# Altium PCB PCB1.PcbDoc
Units mm, origin at the board's own origin, x right, y up, seen from the top; angles counter-clockwise.
Board outline 64.01 x 33.27 mm, 2 copper layers (Top Layer, Bottom Layer); 58 components, 41 nets, 234 pads, 324 vias.
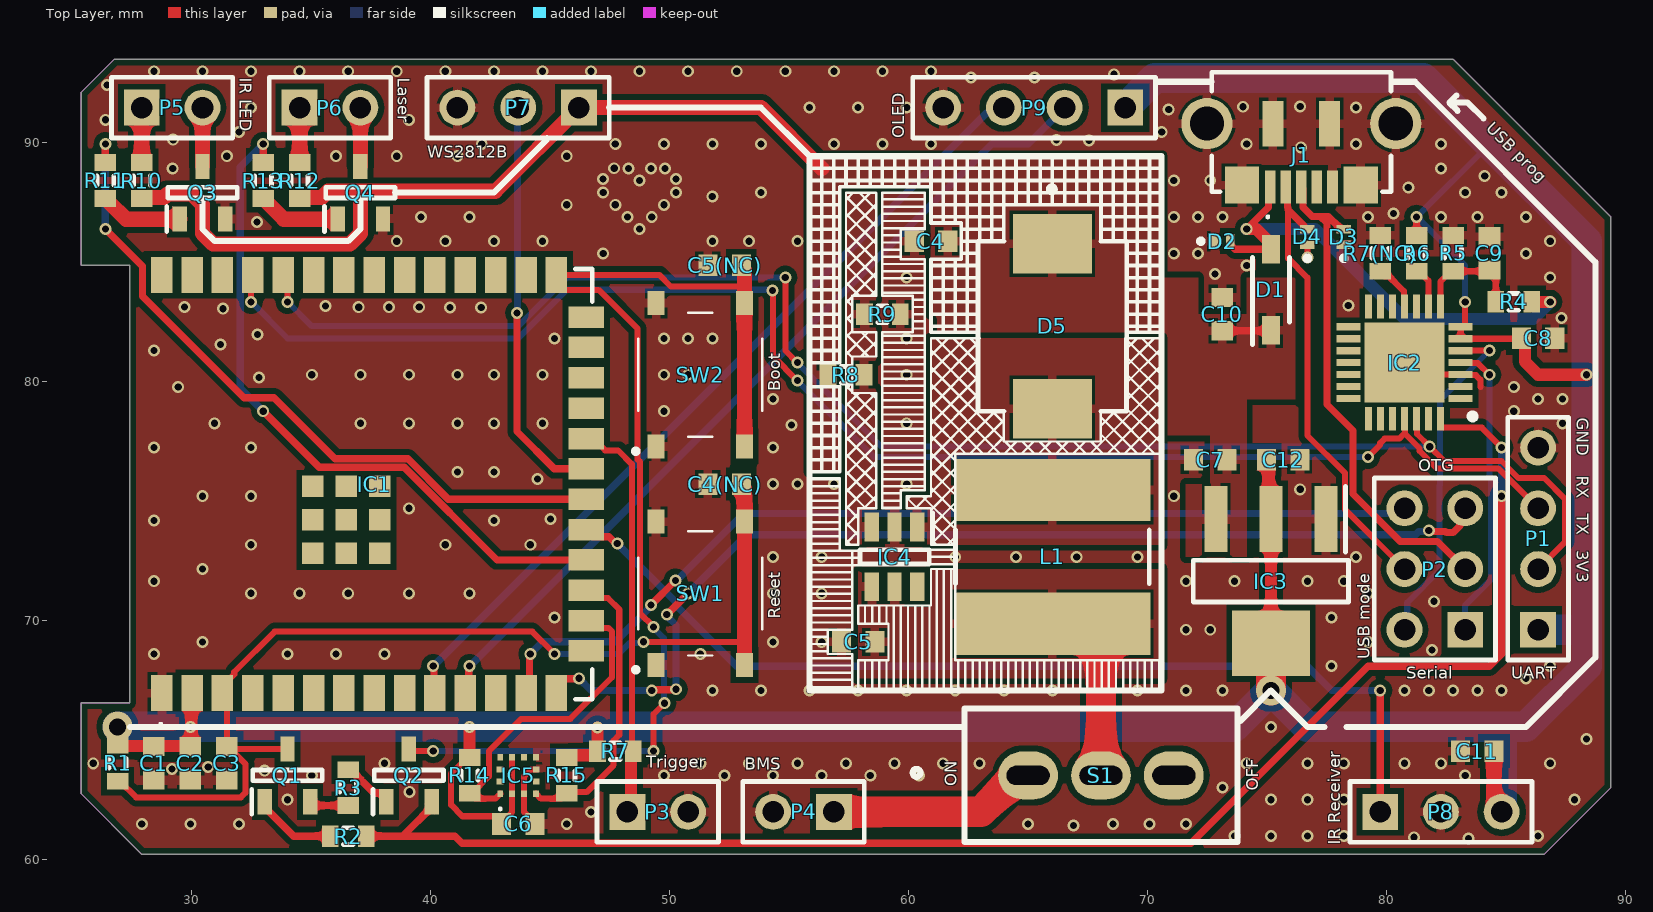
[diagram p0: Top Layer view]
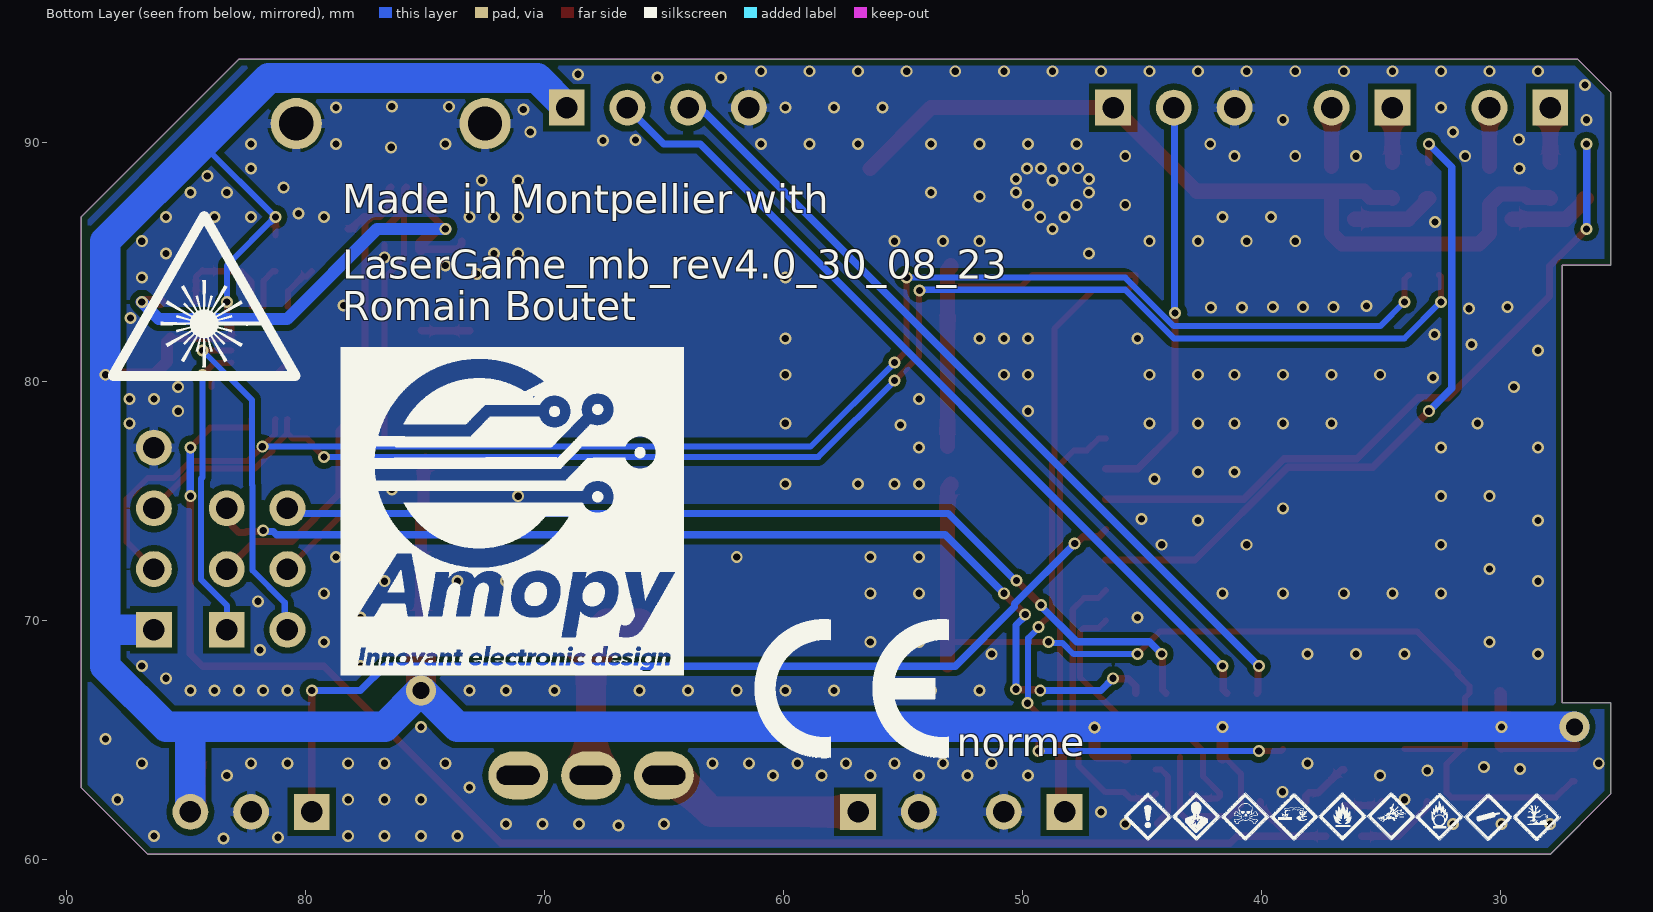
[diagram p1: Bottom Layer view, seen from below]

## Layer stack, top to bottom
Top Solder: solder mask 0.0102, Solder Resist, Dk 3.5
Top Layer: signal copper 0.0356
Dielectric 1: dielectric 0.32, FR-4, Dk 4.8
Bottom Layer: signal copper 0.0356
Bottom Solder: solder mask 0.0102, Solder Resist, Dk 3.5

## Board outline
86.614,60.198 89.408,62.992 89.408,86.868 82.804,93.472 26.797,93.472 25.4,92.075 25.4,84.836 27.432,84.836 27.432,66.548 25.4,66.548 25.4,62.738 27.94,60.198

## Design rules (kind name [scope] priority, off if disabled: settings)
Clearance Clearance_1 [(OnLayer('Bottom Overlay'))] p1: gap=0.254 ignorepadtopadclearanceinfootprint=TRUE except(0: Arc-Hole Track-Hole SMDPad-Hole THPad-Hole Via-Hole Fill-Hole Poly-Region Poly-Hole Region-Hole Text-Hole; 0.051: Track-Track Track-Via; 0.127: Arc-Arc Arc-Track Track-Region SMDPad-SMDPad; 0.2: Arc-SMDPad Arc-THPad Track-SMDPad Track-THPad)
Clearance [All] p2: gap=0.254 ignorepadtopadclearanceinfootprint=TRUE except(0: Arc-Hole Track-Hole SMDPad-Hole THPad-Hole Via-Hole Fill-Hole Poly-Region Poly-Hole Region-Hole Text-Hole; 0.051: Track-Track Track-Via; 0.127: Arc-Arc Arc-Track Track-Region SMDPad-SMDPad; 0.2: Arc-SMDPad Arc-THPad Track-SMDPad Track-THPad)
MinimumSolderMaskSliver [All] p1: minsoldermaskwidth=0.02
PolygonConnect PolygonConnect_1 [All vs IsVia] p1: connectstyle=Direct reliefconductorwidth=0.254 reliefentries=4 polygonreliefangle="90 Angle" airgapwidth=0.254
PolygonConnect [All] p2: connectstyle=Relief reliefconductorwidth=0.381 reliefentries=4 polygonreliefangle="90 Angle" airgapwidth=0.127
RoutingVias [All] p1: holewidth=0.3 width=1.27 viastyle="Through Hole" minholewidth=0.3 minwidth=0.5 maxholewidth=0.711 maxwidth=1.27
SilkToSilkClearance [All] p1: silktosilkclearance=0.05
SilkToSolderMaskClearance [IsPad] p1: minsilkscreentomaskgap=0.08 clearancetoexposedcopper=TRUE
SolderMaskExpansion SolderMaskExpansion_1 [IsVia] p1: expansion=0.102 istentingtop=TRUE
SolderMaskExpansion [All] p2: expansion=0.102 istentingtop=FALSE
UnRoutedNet [All] p1: checkbadconnections=TRUE
Width [All] p1: maxlimit=1.27 minlimit=0.127 preferedwidth=0.127
26 further rules are at their usual default settings.

## Components (designator, comment, footprint, x,y, rotation, side; value= is the part's Value field where it differs from the comment)
C1 "Cap Semi" 1608[0603] 28.448,64.008 r90 top value=22uF
C2 "Cap Semi" 1608[0603] 29.972,64.008 r90 top value=100nF
C3 "Cap Semi" 1608[0603] 31.496,64.008 r270 top value=1uF
C4 "Cap Semi" 1608[0603] 60.96,85.852 r180 top value=22uF
C4(NC) "Cap Semi" 1608[0603] 52.324,75.692 r180 top value=100nF
C5 "Cap Semi" 1608[0603] 57.912,69.088 r180 top value=22uF
C5(NC) "Cap Semi" 1608[0603] 52.324,84.836 r180 top value=100nF
C6 "Cap Semi" 1608[0603] 43.688,61.468 r0 top value=22uF
C7 "Cap Semi" 1608[0603] 72.644,76.708 r180 top value=1uF
C8 "Cap Semi" 1608[0603] 86.36,81.788 r180 top value=10uF
C9 "Cap Semi" 1608[0603] 84.328,85.344 r270 top value=1uF
C10 "Cap Semi" 1608[0603] 73.152,82.804 r270 top value=10uF
C11 "Cap Semi" 1608[0603] 83.82,64.516 r180 top value=22uF
C12 "Cap Semi" 1608[0603] 75.692,76.708 r180 top value=4.7uF
D1 "1N5819HW-7-F" SOD3716X145N 75.184,83.82 r90 top
D2 "DF2B6M4CT,L3F" DF2B6M4CTL3F 73.152,85.852 r0 top
D3 "DF2B6M4CT,L3F" DF2B6M4CTL3F 78.232,86.035 r90 top
D4 "DF2B6M4CT,L3F" DF2B6M4CTL3F 76.708,86.035 r90 top
D5 "B340-13-F" FP-SMC-MFG 66.04,82.296 r270 top value=200pF
IC1 "ESP32-S3-WROOM-1-N4" ESP32S3WROOM1N4 34.036,75.692 r90 top
IC2 "CP2102N-A02-GQFN28" QFN50P500X500X80-29N-D 80.772,80.772 r180 top
IC3 "Voltage_reg" SOT230P700X180-4N 75.184,71.628 r270 top
IC4 "MT3608" SOT95P280X145-6N 59.436,72.644 r270 top
IC5 "MC3479" MC3479 43.688,63.5 r90 top
J1 "105164-0001" 1051640001 76.454,90.424 r0 top
L1 "SRN8040-220M" FP-SRN8040-MFG 66.04,72.644 r90 top value=22uH
P1 "UART" HDR1X4 86.36,69.596 r90 top
P2 "USB_mode" HDR2X3 83.312,69.596 r90 top
P3 "Trigger" HDR1X2 48.26,61.976 r0 top
P4 "BMS" HDR1X2 56.896,61.976 r180 top
P5 "IR_LED" HDR1X2 27.94,91.44 r0 top
P6 "LASER" HDR1X2 34.544,91.44 r0 top
P7 "WS2812" HDR1X3 46.228,91.44 r180 top
P8 "IR_RECEIVER" HDR1X3 79.756,61.976 r0 top
P9 "OLED" HDR1X4 69.088,91.44 r180 top
Q1 "BCW66FR" SOT95P230X110-3N 34.036,63.5 r90 top
Q2 "BCW66FR" SOT95P230X110-3N 39.116,63.5 r90 top
Q3 "BCW66FR" SOT95P230X110-3N 30.48,87.884 r90 top
Q4 "BCW66FR" SOT95P230X110-3N 37.084,87.884 r90 top
R1 "Res3" J1-0603 26.924,64.008 r270 top value=10K
R2 "Res3" J1-0603 36.576,60.96 r180 top value=10K
R3 "Res3" J1-0603 36.576,62.992 r90 top value=10K
R4 "Res3" J1-0603 85.344,83.312 r180 top value=22.1K
R5 "Res3" J1-0603 82.804,85.344 r270 top value=47.5K
R6 "Res3" J1-0603 81.28,85.344 r270 top value=1K
R7 "Res3" J1-0603 47.752,64.516 r180 top value=10K
R7(NC) "Res3" J1-0603 79.756,85.344 r270 top value=10K
R8 "Res3" J1-0603 57.404,80.264 r180 top value=15K
R9 "Res3" J1-0603 58.928,82.804 r180 top value=110K
R10 "Res3" J1-0603 27.94,88.392 r90 top value=35
R11 "Res3" J1-0603 26.416,88.392 r90 top value=3.5K
R12 "Res3" J1-0603 34.544,88.392 r90 top value=20
R13 "Res3" J1-0603 33.02,88.392 r90 top value=3.5K
R14 "Res3" J1-0603 41.656,63.5 r90 top value=4.7K
R15 "Res3" J1-0603 45.72,63.5 r90 top value=4.7K
S1 "1101M2S3CQE2" 1000-SERIES(SPDT) 68.072,63.5 r270 top
SW1 "PTS526_SM15_SMTR2_LFS" PTS526SM15SMTR2LFS 51.308,71.12 r90 top
SW2 "PTS526_SM15_SMTR2_LFS" PTS526SM15SMTR2LFS 51.308,80.264 r90 top

## Footprints (in the part's own frame and the unit in brackets; to place one, negate y for a bottom-side part, rotate by r counter-clockwise, add the part's x,y. Pads: shape width x height; smd on the part's side, far side on the other; paste and mask are expansions set on the pad)
1000-SERIES(SPDT) [mm]
  oval 2x2.5 hole 0.8 slot 1.8 at 90 deg: 1(0,-3.048) 2(0,0) 3(0,3.048)
  silkscreen extent -2.79,-7.88 2.79,5.72, body extent -2.9,-9.75 2.9,9.75, height 11
1608[0603] [mm] "Chip Capacitor, Body 1.6x0.8mm, IPC High Density"
  rect 0.8x0.9 smd: 1(-0.7,0) 2(0.7,0)
  body extent -0.87,-0.48 0.87,0.48, height 1.3
1051640001 [mm]
  rect 0.45x1.38 smd: 1(-1.3,-2.31) 2(-0.65,-2.31) 3(0,-2.31) 4(0.65,-2.31) 5(1.3,-2.31)
  round 2.145 hole 1.43: MH1(-3.95,0.35) MH2(3.95,0.35)
  rect 1.425x1.55 smd: MP1(-2.487,-2.225) MP2(2.487,-2.225)
  rect 0.875x1.9 smd: MP3(-1.188,0.35) MP4(1.188,0.35)
  silkscreen extent -3.75,-3.61 3.75,2.5, body extent -4.1,-2.61 4.1,2.54, height 2.51
DF2B6M4CTL3F [mm]
  rect 0.35x0.6 smd: 1(-0.325,0) 2(0.325,0)
  silkscreen extent -1,-0.1 -0.8,0.1, body extent -0.5,-0.3 0.5,0.3, height 0.5
ESP32S3WROOM1N4 [mm]
  rect 1.5x0.9 smd: 1(-8.75,5.26) 2(-8.75,3.99) 3(-8.75,2.72) 4(-8.75,1.45) 5(-8.75,0.18) 6(-8.75,-1.09) 7(-8.75,-2.36) 8(-8.75,-3.63) 9(-8.75,-4.9) 10(-8.75,-6.17) 11(-8.75,-7.44) 12(-8.75,-8.71) 13(-8.75,-9.98) 14(-8.75,-11.25) 27(8.75,-11.25) 28(8.75,-9.98) 29(8.75,-8.71) 30(8.75,-7.44) 31(8.75,-6.17) 32(8.75,-4.9) 33(8.75,-3.63) 34(8.75,-2.36) 35(8.75,-1.09) 36(8.75,0.18) 37(8.75,1.45) 38(8.75,2.72) 39(8.75,3.99) 40(8.75,5.26)
  rect 0.9x1.5 smd: 15(-6.985,-12.5) 16(-5.715,-12.5) 17(-4.445,-12.5) 18(-3.175,-12.5) 19(-1.905,-12.5) 20(-0.635,-12.5) 21(0.635,-12.5) 22(1.905,-12.5) 23(3.175,-12.5) 24(4.445,-12.5) 25(5.715,-12.5) 26(6.985,-12.5)
  rect 0.9x0.9 smd: 41(-1.5,-2.46) 42(-2.9,-1.06) 43(-2.9,-2.46) 44(-2.9,-3.86) 45(-1.5,-3.86) 46(-0.1,-3.86) 47(-0.1,-2.46) 48(-0.1,-1.06) 49(-1.5,-1.06)
  silkscreen extent -10.1,-12.75 9,5.35, body extent -9.01,-12.76 9.01,12.75, height 3.11
FP-SMC-MFG [mm]
  rect 2.5x3.3 smd paste+0 mask+0: 1(-3.45,0) 2(3.45,0)
  silkscreen extent -5.85,-3.11 3.55,3.11, body extent -4.8,-3.21 4.8,3.21, height 0.25
FP-SRN8040-MFG [mm]
  rect 2.6x8.2 smd paste+0 mask+0: 1(-2.8,0) 2(2.8,0)
  silkscreen extent -1.12,-4.05 1.12,4.05, body extent -4.28,-4.2 4.28,4.2, height 0.25
HDR1X2 [mm] "Connector; Header; 2 Position"
  rect 1.5x1.5 hole 0.9: 1(0,0)
  round 1.5 hole 0.9: 2(2.54,0)
  silkscreen extent -1.27,-1.27 3.81,1.27
HDR1X3 [mm] "Connector; Header; 3 Position"
  rect 1.5x1.5 hole 0.9: 1(0,0)
  round 1.5 hole 0.9: 2(2.54,0) 3(5.08,0)
  silkscreen extent -1.27,-1.27 6.35,1.27
HDR1X4 [mm] "Connector; Header; 4 Position"
  rect 1.5x1.5 hole 0.9: 1(0,0)
  round 1.5 hole 0.9: 2(2.54,0) 3(5.08,0) 4(7.62,0)
  silkscreen extent -1.27,-1.27 8.89,1.27
HDR2X3 [mm] "Connector; Header; 3x2 Position"
  rect 1.5x1.5 hole 0.9: 1(0,0)
  round 1.5 hole 0.9: 2(0,2.54) 3(2.54,0) 4(2.54,2.54) 5(5.08,0) 6(5.08,2.54)
  silkscreen extent -1.27,-1.27 6.35,3.81
J1-0603 [mm] "Chip Resistor, Body 1.6x0.8mm, IPC High Density"
  rect 0.7x0.9 smd: 1(-0.75,0) 2(0.75,0)
  silkscreen extent -0.2,-0.35 0.2,0.35, body extent -0.85,-0.48 0.85,0.48, height 0.9
MC3479 [mm]
  rect 0.275x0.25 smd: 1(-0.762,0.75) 2(-0.762,0.25) 3(-0.762,-0.25) 4(-0.762,-0.75) 7(0.763,-0.75) 8(0.763,-0.25) 9(0.763,0.25) 10(0.763,0.75)
  rect 0.25x0.275 smd: 5(-0.25,-0.763) 6(0.25,-0.763) 11(0.25,0.762) 12(-0.25,0.762)
  silkscreen extent -1.45,0.7 -1.35,0.8, body extent -1,-1 1,1, height 0.94
PTS526SM15SMTR2LFS [mm]
  rect 1x0.7 smd: 1(-3,1.85) 2(3,1.85) 3(-3,-1.85) 4(3,-1.85)
  silkscreen extent -3.3,-2.6 2.6,2.8, body extent -3.2,-2.6 3.2,2.6, height 1.55
QFN50P500X500X80-29N-D [mm]
  rect 1x0.3 smd: 1(-2.35,1.5) 2(-2.35,1) 3(-2.35,0.5) 4(-2.35,0) 5(-2.35,-0.5) 6(-2.35,-1) 7(-2.35,-1.5) 15(2.35,-1.5) 16(2.35,-1) 17(2.35,-0.5) 18(2.35,0) 19(2.35,0.5) 20(2.35,1) 21(2.35,1.5)
  rect 0.3x1 smd: 8(-1.5,-2.35) 9(-1,-2.35) 10(-0.5,-2.35) 11(0,-2.35) 12(0.5,-2.35) 13(1,-2.35) 14(1.5,-2.35) 22(1.5,2.35) 23(1,2.35) 24(0.5,2.35) 25(0,2.35) 26(-0.5,2.35) 27(-1,2.35) 28(-1.5,2.35)
  rect 3.35x3.35 smd: 29(0,0)
  silkscreen extent -2.98,2.13 -2.73,2.37, body extent -2.55,-2.55 2.55,2.55, height 0.8
SOD3716X145N [mm]
  rect 1.2x0.75 smd: 1(-1.7,0) 2(1.7,0)
  silkscreen extent -2.3,-0.77 1.35,0.77, body extent -1.85,-0.77 1.85,0.77, height 1.45
SOT95P230X110-3N [mm]
  rect 1.05x0.6 smd: 1(-1.1,0.95) 2(-1.1,-0.95) 3(1.1,0)
  silkscreen extent -1.63,-1.45 0.23,1.5, body extent -1.15,-1.45 1.15,1.45, height 1.1
SOT95P280X145-6N [mm]
  rect 1.2x0.6 smd: 1(-1.25,0.95) 2(-1.25,0) 3(-1.25,-0.95) 4(1.25,-0.95) 5(1.25,0) 6(1.25,0.95)
  silkscreen extent -1.85,-1.45 0.3,1.6, body extent -1.4,-1.45 1.4,1.45, height 1.2
SOT230P700X180-4N [mm]
  rect 2.75x0.95 smd: 1(-2.6,2.3) 2(-2.6,0) 3(-2.6,-2.3)
  rect 2.75x3.25 smd: 4(2.6,0)
  silkscreen extent -3.98,-3.25 0.87,3.25, body extent -3.5,-3.25 3.5,3.25, height 1.56

## Part data
C1 C2 C3 C4 C4(NC) C5 C5(NC) C6 C7 C8 C9 C10 C11 C12: "Capacitor (Semiconductor SIM Model)", LatestRevisionDate=29-May-2009, LatestRevisionNote="IPC-7351 Footprint Added.", PackageDescription="Chip Capacitor", PackageReference=C1206, Published=8-Jun-2000, Publisher="Altium Limited"
D1: "Diode", Manufacturer_Name="Diodes Inc.", Mouser Part Number=621-1N5819HW-F, Arrow Part Number=1N5819HW-7-F, Arrow Price/Stock=https://www.arrow.com/en/products/1n5819hw-7-f/diodes-incorporated?region=europe, Datasheet Link=https://datasheet.datasheetarchive.com/originals/distributors/Datasheets-DGA23/1390892.pdf, Height=1.45mm, Manufacturer_Part_Number=1N5819HW-7-F, Mouser Price/Stock=https://www.mouser.co.uk/ProductDetail/Diodes-Incorporated/1N5819HW-7-F?qs=NQ47qNm99eDyWTEd07miYA%3D%3D
D2 D3 D4: "TVS Diode (Bi-directional)", Manufacturer_Name=Toshiba, Mouser Part Number=757-DF2B6M4CTL3F, Arrow Part Number=DF2B6M4CT,L3F, Arrow Price/Stock=https://www.arrow.com/en/products/df2b6m4ctl3f/toshiba, Datasheet Link=https://static6.arrow.com/aropdfconversion/35aad045143cfbe56d4c3115b403a38cdd93b55b/3docget.jspdid55771prodnamedf2b6m4ct.jspdid55771prodnamedf2b6m4ct..pdf, Height=0.4mm, Manufacturer_Part_Number=DF2B6M4CT,L3F, Mouser Price/Stock=https://www.mouser.co.uk/ProductDetail/Toshiba/DF2B6M4CTL3F/?qs=HXFqYaX1Q2xAOjv9GW6UtQ%3D%3D
D5: library part CMP-12790-000049-1, "DIODE SCHOTTKY 40V 3A SMC", Capacitance=200pF, Forward Current=3A, Manufacturer="Diodes Inc.", Max Junction Temp=+150°C, Max Repetitive Reverse Voltage=40V, Max Surge Forward Current=100A, Package=SMC, Peak Reverse Current=0.1mA, Temperature="-55°C to +150°C", Temperature Range Low=-55°C, Automotive=No, Category=Diode, ComponentLink2Description=Datasheet, ComponentLink2URL=https://www.diodes.com/assets/Datasheets/ds30923.pdf, Device Class L1="Discrete Semiconductors", Device Class L2=Diodes, Device Class L3="Schottky Diodes", Digikey Description="DIODE SCHOTTKY 40V 3A SMC", Footprint Url=https://www.diodes.com/assets/Package-Files/SMC.pdf, Height=2.5mm, Lead Free=Yes, Manufacturer Part Number=B340-13-F, Mouser Description="Diode Schottky 40V 3A 2-Pin SMC T/R Diode Schottky 40V 3A 2-Pin SMC T/R", Octopart=https://octopart.com/b340-13-f-diodes+inc.-325814, Reverse Voltage=40V, RoHS=TRUE, Standoff Height=0.1mm, Temperature Range High=+150°C
IC1: "Integrated Circuit", Manufacturer_Name="Espressif Systems", Mouser Part Number=356-ESP32-S3WROOM1N4, Datasheet Link=https://www.espressif.com/sites/default/files/documentation/esp32-s3-wroom-1_wroom-1u_datasheet_en.pdf, Height=3.25mm, Manufacturer_Part_Number=ESP32-S3-WROOM-1-N4, Mouser Price/Stock=https://www.mouser.co.uk/ProductDetail/Espressif-Systems/ESP32-S3-WROOM-1-N4?qs=Li%252BoUPsLEnsO%2FkiJOUK0FQ%3D%3D
IC2: "Integrated Circuit", Manufacturer_Name="Silicon Labs", Mouser Part Number=634-CP2102NA02GQFN28, Arrow Part Number=CP2102N-A02-GQFN28, Arrow Price/Stock=https://www.arrow.com/en/products/cp2102n-a02-gqfn28/silicon-labs?region=europe, Datasheet Link=https://componentsearchengine.com/Datasheets/2/CP2102N-A02-GQFN28.pdf, Height=0.8mm, Manufacturer_Part_Number=CP2102N-A02-GQFN28, Mouser Price/Stock=https://www.mouser.co.uk/ProductDetail/Silicon-Labs/CP2102N-A02-GQFN28?qs=u16ybLDytRaSBkSkyjYFiA%3D%3D
IC3: library part LDL1117S33R, "Integrated Circuit", Manufacturer_Name=STMicroelectronics, Mouser Part Number=511-LDL1117S33R, Arrow Part Number=LDL1117S33R, Arrow Price/Stock=https://www.arrow.com/en/products/ldl1117s33r/stmicroelectronics?region=nac, Datasheet Link=https://componentsearchengine.com/Datasheets/2/LDL1117S33R.pdf, Height=1.8mm, Manufacturer_Part_Number=LDL1117S33R, Mouser Price/Stock=https://www.mouser.co.uk/ProductDetail/STMicroelectronics/LDL1117S33R?qs=AQlKX63v8Rt9Bf6AWSrbFg%3D%3D
IC4: "Integrated Circuit", Manufacturer_Name=Aerosemi, Datasheet Link=https://www.olimex.com/Products/Breadboarding/BB-PWR-3608/resources/MT3608.pdf, Height=1.45mm, Manufacturer_Part_Number=MT3608
IC5: "Integrated Circuit", Manufacturer_Name=MEMSIC, Mouser Part Number=498-MC3479, Arrow Part Number=MC3479, Arrow Price/Stock=https://www.arrow.com/en/products/mc3479/memsic?region=nac, Datasheet Link=http://www.memsic.com/uploadfiles/2020/08/20200827164636363.pdf, Height=1mm, Manufacturer_Part_Number=MC3479, Mouser Price/Stock=https://www.mouser.co.uk/ProductDetail/MEMSIC/MC3479?qs=OlC7AqGiEDmYmlaMvA9fTA%3D%3D
J1: "Connector", Manufacturer_Name=Molex, Mouser Part Number=538-105164-0001, Datasheet Link=https://www.molex.com/pdm_docs/sd/1051640001_sd.pdf, Height=2.7mm, Manufacturer_Part_Number=105164-0001, Mouser Price/Stock=https://www.mouser.co.uk/ProductDetail/Molex/105164-0001?qs=JAwGc6FMfvtRY4SkW%2FoGcQ%3D%3D
L1: library part CMP-07248-000047-1, "FIXED IND 22UH 2.2A 100 MOHM SMD", Case/Package=Nonstandard, Current Rating=2.2A, DC Resistance (DCR)=100mR, Inductance=22uH, Inductance Tolerance=20%, Max Operating Temperature=125°C, Min Operating Temperature=-40°C, Package Quantity=1000, Resistor Type=Wirewound, Self Resonant Frequency=12MHz, Test Frequency=100kHz, Core Material=Ferrite, DC Current=2.2A, Depth=8.3mm, Height=4mm, Height - Seated (Max)=0.157inch, Length=8mm, Material=Steel, Max DC Current=2.2A, Military Standard=Not, Mount="Surface Mount", Number of Pins=2, Packaging="Tape and Reel", REACH SVHC="No SVHC", RMS Current (Irms)=2.2A, RoHS Compliant=Yes, Sample Rate (Hz)=100kHz, Saturation Current=2.2A, Series=SRN8040, Shielding=Shielded, Termination=SMD/SMT, Tolerance=20%, Width=8mm
P1 P9: library part "Header 4", "Header, 4-Pin", LatestRevisionDate=17-Jul-2002, LatestRevisionNote="Re-released for DXP Platform.", Publisher="Altium Limited"
P2: library part "Header 3X2", "Header, 3-Pin, Dual row", LatestRevisionDate=17-Jul-2002, LatestRevisionNote="Re-released for DXP Platform.", Publisher="Altium Limited"
P3 P4 P5 P6: library part "Header 2", "Header, 2-Pin", LatestRevisionDate=17-Jul-2002, LatestRevisionNote="Re-released for DXP Platform.", Publisher="Altium Limited"
P7 P8: library part "Header 3", "Header, 3-Pin", LatestRevisionDate=17-Jul-2002, LatestRevisionNote="Re-released for DXP Platform.", Publisher="Altium Limited"
Q1 Q2 Q3 Q4: "Transistor BJT NPN", Manufacturer_Name=Nexperia, Mouser Part Number=771-BCW66FR, Arrow Part Number=BCW66FR, Arrow Price/Stock=https://www.arrow.com/en/products/bcw66fr/nexperia?region=europe, Datasheet Link=https://www.mouser.in/datasheet/2/916/BCW66X_SER-1319560.pdf, Height=1.1mm, Manufacturer_Part_Number=BCW66FR, Mouser Price/Stock=https://www.mouser.co.uk/ProductDetail/Nexperia/BCW66FR?qs=vLWxofP3U2xgYVmJT%2Fr4qw%3D%3D
R1 R2 R3 R4 R5 R6 R7 R7(NC) R8 R9 R10 R11 R12 R13 R14 R15: "Resistor", LatestRevisionDate=29-May-2009, LatestRevisionNote="IPC-7351 Footprint Added.", PackageDescription="Chip Resistor", PackageReference=J1-0603, Published=8-Jun-2000, Publisher="Altium Limited"
S1: "Switch", Manufacturer_Name="C & K COMPONENTS", Mouser Part Number=611-1101M2S3CQE2, Arrow Part Number=1101M2S3CQE2, Arrow Price/Stock=https://www.arrow.com/en/products/1101m2s3cqe2/ck?region=europe, Datasheet Link=https://www.ckswitches.com/media/1429/1000.pdf, Manufacturer_Part_Number=1101M2S3CQE2, Mouser Price/Stock=https://www.mouser.co.uk/ProductDetail/CK/1101M2S3CQE2?qs=C4UUOezh8MStnZqkTHGAfQ%3D%3D
SW1 SW2: "Switch", Arrow Part Number="PTS526 SM15 SMTR2 LFS", Manufacturer_Name="C & K COMPONENTS", Mouser Part Number=611-PTS526SM15SMTR2L, Arrow Price/Stock=https://www.arrow.com/en/products/pts526-sm15-smtr2-lfs/ck?region=nac, Datasheet Link=https://www.mouser.com/datasheet/2/60/pts526-1651200.pdf, Height=1.5mm, Manufacturer_Part_Number="PTS526 SM15 SMTR2 LFS", Mouser Price/Stock=https://www.mouser.co.uk/ProductDetail/CK/PTS526-SM15-SMTR2-LFS?qs=UXgszm6BlbENivbslIA%252B5g%3D%3D

## Via types
v1: diameter 0.5, hole 0.3, Top Layer to Bottom Layer, tented both sides, 322 vias
v2: diameter 1.27, hole 0.711, Top Layer to Bottom Layer, tented both sides, 2 vias

## Nets (pads, with @x,y where several pads share a name; then routed paths per layer and width w, separated by ;. In a path a pad name is that pad's centre, name@x,y a point inside that pad or via, vN(x,y) a via of type N, cw(c..) or ccw(c..) an arc to the next point about the centre after c; other vN are vias at no path point)
3V3: C1.2 C2.2 C6.1 C8.2 C11.1 C12.2 IC1.2 IC2.6 IC2.7 IC3.2 IC3.4 IC5.2 IC5.9 P1.1 P8.3 P9.1 R1.1 R6.1 R7.2 R14.2 R15.2 | length 156.6
  Top Layer w0.254: R14.2 41.556,64.25 40.879,63.573 40.879,62.265 41.353,61.791 42.715,61.791 42.988,61.518 43.438,61.968 IC5.2 IC5.9 IC5.9@43.436,64.265 ; R6.1 v1(81.28,86.868) ; v1(83.312,83.312) 83.312,82.295 83.289,82.272 IC2.7 IC2.6 C8.2@85.676,81.772
  Top Layer w0.508: R1.1 26.949,64.733 29.947,64.733 C2.2 30.009,64.745 30.009,66.905 IC1.2 ; R14.2 v1(41.656,65.532) ; R15.2 45.816,64.346 46.906,64.346 47.002,64.442 R7.2 R7.2 v1(47.003,65.508) ; C12.2 75.088,76.612 75.088,74.324 IC3.2 IC3.4 ; C8.2 85.806,81.642 85.806,80.818 86.36,80.264 v1(88.392,80.264)
  Top Layer w0.635: C11.1 84.52,62.526 84.836,62.21 P8.3
  Top Layer w1.27: v2(75.184,67.056) IC3.4
  Bottom Layer w0.254: v1(83.312,83.312) 83.312,84.836 v1(81.28,86.868) 84.328,89.916
  Bottom Layer w1.27: v2(26.924,65.532) v1(29.972,65.532) v1(41.656,65.532) 47.003,65.532 73.66,65.532 v2(75.184,67.056) 76.708,65.532 84.836,65.532 ; P9.1 70.329,92.681 81.563,92.681 84.328,89.916 88.392,85.852 v1(88.392,80.264) 88.392,69.596 ; P8.3 84.836,65.532 ; P1.1 88.392,69.596 ; 84.836,65.532 85.852,65.532 88.392,68.072 88.392,69.596
3V7: C5.1 IC4.4 IC4.5 L1.1 S1.2 | length 8
  Top Layer w1.27: L1.1 67.407,69.844 68.072,69.179 S1.2
5V: C4.1 C7.1 C10.2 D1.1 D5.1 IC3.3 P7.1 R8.2 R10.1 R12.1 | length 39.2
  Top Layer w0.305: C10.2 75.168,82.104 D1.1
  Top Layer w0.635: R10.1 27.972,87.675 28.864,87.675 29.016,87.826 30.044,87.826 30.48,87.391 30.48,86.177 30.916,85.741 36.648,85.741 37.084,86.177 37.084,87.942 ; R12.1 34.576,87.675 35.468,87.675 35.735,87.942 37.084,87.942 ; 56.388,88.9 53.848,91.44 P7.1 42.73,87.942 37.084,87.942
ACCEL_scl: IC1.16 IC5.1 R14.1 | length 13.1
  Top Layer w0.254: IC5.1 42.938,62.729 42.736,62.527 41.879,62.527 41.767,62.639 41.767,62.762 42.462,63.456 42.462,64.511 43.815,65.865 45.871,65.865 47.613,67.607 47.613,69.526 47.464,69.674 46.839,69.674 IC1.16
ACCEL_sda: IC1.17 IC5.4 R15.1 | length 12.2
  Top Layer w0.254: IC5.4 44.438,62.729 44.64,62.527 45.497,62.527 R15.1 45.773,62.803 46.551,62.803 47.679,63.931 47.679,64.955 47.918,65.194 47.918,70.446 47.44,70.924 46.859,70.924 IC1.17
DTR: IC2.28 Q2.2 R2.1 | length 64.8
  Top Layer w0.254: IC2.28 82.272,78.072 82.295,78.049 84.003,78.049 v1(84.836,77.216)
  Top Layer w0.305: R2.1 38.851,60.96 ; Q2.2 40.066,62.175 38.851,60.96 ; v1(84.836,75.184) 84.836,68.58 84.328,68.072 79.248,68.072 71.842,60.666 41.34,60.666 41.045,60.96 38.851,60.96
  Bottom Layer w0.305: v1(84.836,75.184) v1(84.836,77.216)
EN: C3.1 C4(NC).1 IC1.3 Q1.3 R1.2 SW1.3 SW1.4 | length 44.1
  Top Layer w0.254: R1.2 27.024,63.258 27.701,62.581 32.081,62.581 32.273,62.773 32.273,63.981 C3.1@31.654,64.6 ; Q1.3 C3.1@31.654,64.6 ; v1(45.212,68.58) 44.276,69.516 33.497,69.516 31.809,67.827 31.809,67.735 31.316,67.242 IC1.3 31.496,66.762 C3.1 31.604,64.6 C3.1@31.654,64.6 ; v1(48.93,69.091) 48.933,69.088 53.158,69.088
  Top Layer w0.635: 53.024,75.692 53.024,75.642 53.158,75.508 SW1.4 53.158,69.088 SW1.3
  Bottom Layer w0.254: v1(45.212,68.58) 47.892,68.58 48.357,69.044 48.883,69.044 v1(48.93,69.091)
espRX: IC1.36 IC2.26 P1.2 | length 66.3
  Top Layer w0.254: IC1.36 34.036,84.262 v1(34.036,83.312) ; v1(54.864,84.328) 54.864,81.28 v1(55.372,80.772) ; IC2.26 81.295,78.399 81.295,77.787 v1(81.827,77.255) 82.426,76.655 84.829,76.655 85.539,75.945 86.614,75.945 87.496,75.063 87.496,73.272 P1.2
  Bottom Layer w0.254: v1(34.036,83.312) 35.052,82.296 43.688,82.296 45.72,84.328 v1(54.864,84.328) ; v1(55.372,80.772) 58.889,77.255 v1(81.827,77.255)
espTX: IC1.37 IC2.25 P1.3 | length 63.4
  Top Layer w0.254: v1(32.512,83.312) 32.512,84.368 IC1.37 ; v1(54.331,83.795) 54.356,83.77 54.356,81.034 v1(55.372,80.018) ; v1(79.248,76.827) 79.748,77.327 79.748,77.398 79.945,77.595 80.557,77.595 80.749,77.787 ; IC2.25 80.795,78.399 80.795,77.787 81.399,77.183 81.399,77.078 82.126,76.35 84.686,76.35 P1.3
  Bottom Layer w0.254: v1(32.512,83.312) 34.036,81.788 43.688,81.788 45.72,83.82 54.306,83.82 v1(54.331,83.795) ; v1(55.372,80.018) 58.563,76.827 v1(79.248,76.827)
espUSBD+: IC1.14 P2.5 | length 44.6
  Top Layer w0.305: IC1.14 45.286,67.242 45.584,67.54 46.204,67.54 v1(46.228,67.564) ; v1(49.276,67.056) 49.301,67.081 50.267,67.081 v1(50.292,67.105) ; v1(49.908,70.228) v1(50.8,71.12) ; v1(81.788,73.745) 81.825,73.708 82.488,73.708 82.536,73.66 82.804,73.66 83.083,73.939 83.083,74.447 P2.5
  Bottom Layer w0.305: v1(46.228,67.564) 46.736,67.056 v1(49.276,67.056) ; v1(49.908,70.228) 49.908,70.175 50.292,69.79 v1(50.292,67.105) ; v1(50.8,71.12) 53.254,73.574 81.229,73.574 81.363,73.708 81.751,73.708 v1(81.788,73.745)
espUSBD-: IC1.13 P2.6 | length 40.9
  Top Layer w0.305: IC1.13 44.159,67.085 44.159,68.543 v1(44.196,68.58) ; v1(49.251,70.637) v1(50.267,71.653)
  Bottom Layer w0.305: v1(44.196,68.58) 44.704,69.088 47.752,69.088 49.251,70.587 v1(49.251,70.637) ; v1(50.267,71.653) 50.292,71.628 53.123,74.459 80.555,74.459 P2.6
GND: C1.1 C2.1 C3.2 C4(NC).2 C4.2 C5(NC).2 C5.2 C6.2 C7.2 C8.1 C9.1 C10.1 C11.2 C12.1 D2.1 D3.1 D4.1 IC1.1 IC2.3 IC2.29 IC3.1 IC4.2 IC5.3 IC5.6 IC5.7 J1.5 J1.MH1 J1.MH2 J1.MP1 J1.MP2 J1.MP3 J1.MP4 P1.4 P3.2 P4.2 P7.3 P8.2 P9.4 Q3.2 Q4.2 R5.1 R7(NC).1 R9.1 SW1.1 SW1.2 SW2.1 SW2.2 | length 7.1
  Top Layer w0.254: C6.2 44.388,61.518 43.938,61.968 IC5.3 43.938,63.462 44.224,63.748 IC5.6 IC5.6 ; D4.1 76.713,85.705 76.713,85.183 v1(76.718,85.178) ; IC2.29 81.272,80.272 IC2.3 83.145,80.249 83.757,80.249 83.949,80.057 83.949,79.756
  other v1: 83.448,60.865 81.173,60.912 73.66,60.96 75.184,60.96 76.708,60.96 78.232,60.96 86.36,60.96 66.927,61.41 27.94,61.468 29.972,61.468 32.004,61.468 45.72,61.468 65.024,61.468 68.58,61.468 70.104,61.468 71.628,61.468 46.736,61.976 34.036,62.484 75.184,62.484 76.708,62.484 78.232,62.484 87.884,62.484 39.138,62.814 73.152,62.992 35.052,63.5 49.784,63.5 52.324,63.5 54.356,63.5 56.388,63.5 58.42,63.5 60.452,63.5 83.312,63.5 33.081,63.698 29.205,63.768 30.717,63.858 25.908,64.008 38.1,64.008 51.308,64.008 53.34,64.008 55.372,64.008 57.404,64.008 59.436,64.008 61.468,64.008 62.992,64.008 74.168,64.008 76.708,64.008 78.232,64.008 80.772,64.008 82.296,64.008 86.868,64.008 88.392,65.024 75.184,65.532 51.816,67.056 53.848,67.056 55.88,67.056 57.912,67.056 59.944,67.056 61.976,67.056 64.008,67.056 66.04,67.056 69.596,67.056 71.628,67.056 73.152,67.056 80.772,67.056 81.788,67.056 82.804,67.056 83.82,67.056 84.836,67.056 85.852,67.564 77.724,68.072 86.868,68.072 28.448,68.58 34.036,68.58 36.068,68.58 38.1,68.58 51.308,68.58 81.916,68.748 30.48,69.088 54.356,69.088 56.388,69.088 79.248,69.088 71.628,69.596 72.644,69.596 45.212,70.104 77.724,70.104 82.01,70.786 32.512,71.12 34.544,71.12 36.576,71.12 39.116,71.12 41.656,71.12 54.356,71.12 56.388,71.12 79.248,71.12 28.448,71.628 71.628,71.628 73.66,71.628 76.708,71.628 78.232,71.628 30.48,72.136 54.356,72.644 56.388,72.644 61.976,72.644 64.516,72.644 67.056,72.644 69.596,72.644 78.74,72.644 32.512,73.152 40.64,73.152 44.196,73.152 28.448,74.168 42.672,74.168 45.035,74.232 39.116,74.676 30.48,75.184 32.512,75.184 71.12,75.184 76.407,75.473 54.356,75.692 55.372,75.692 56.896,75.692 59.944,75.692 44.503,75.903 41.148,76.2 42.672,76.2 28.448,77.216 32.512,77.216 54.356,77.216 55.117,78.159 30.988,78.232 37.084,78.232 39.116,78.232 41.148,78.232 42.672,78.232 44.704,78.232 59.944,78.232 87.376,78.232 49.784,78.74 85.344,78.74 54.356,79.248 86.36,79.248 87.376,79.248 29.464,79.756 85.344,79.756 32.844,80.145 35.052,80.264 37.084,80.264 39.116,80.264 41.148,80.264 42.672,80.264 44.704,80.264 49.784,80.264 50.8,80.264 59.944,80.264 28.448,81.28 31.236,81.532 45.212,81.788 49.784,81.788 50.8,81.788 51.816,81.788 59.944,81.788 32.775,81.948 87.343,82.637 31.333,83.029 37.016,83.09 38.289,83.09 40.836,83.075 42.14,83.075 29.725,83.098 39.548,83.105 35.622,83.136 78.42,83.162 59.944,84.328 86.868,84.328 72.844,84.484 74.168,84.836 47.244,85.344 71.12,85.344 72.136,85.344 85.852,85.344 38.608,85.852 40.64,85.852 42.672,85.852 44.704,85.852 51.816,85.852 53.34,85.852 55.372,85.852 86.868,85.852 48.768,86.36 32.761,86.659 39.624,86.868 41.656,86.868 48.26,86.868 49.276,86.868 71.12,86.868 72.136,86.868 73.152,86.868 79.248,86.868 82.296,86.868 83.82,86.868 85.852,86.868 80.312,87.017 45.72,87.376 47.752,87.376 49.784,87.376 51.811,87.721 47.244,87.884 50.292,87.884 53.848,87.884 83.312,87.884 84.836,87.884 80.93,88.096 48.768,88.392 71.12,88.392 72.644,88.392 47.238,88.449 50.295,88.449 84.128,88.577 29.232,88.9 47.704,88.904 48.306,88.898 49.25,88.893 49.828,88.898 82.296,88.9 31.496,89.408 36.068,89.408 38.608,89.408 41.148,89.408 45.72,89.408 76.432,89.781 42.164,89.916 47.752,89.916 49.784,89.916 51.816,89.916 53.848,89.916 56.896,89.916 58.928,89.916 60.96,89.916 74.168,89.916 78.74,89.916 82.296,89.916 67.571,90.072 29.255,90.099 66.213,90.085 32.004,90.424 70.612,90.424 26.416,90.932 39.116,90.932 70.904,91.357 32.512,91.44 55.88,91.44 57.912,91.44 59.944,91.44 78.74,91.44 74.02,91.479 76.408,91.491 26.489,92.388 62.641,92.695 65.288,92.695 68.613,92.836 28.448,92.964 30.48,92.964 32.512,92.964 34.544,92.964 36.576,92.964 38.608,92.964 40.64,92.964 42.672,92.964 44.704,92.964 46.736,92.964 48.768,92.964 50.8,92.964 52.832,92.964 54.864,92.964 56.896,92.964 58.928,92.964 60.96,92.964
GPIO0: C5(NC).1 IC1.27 Q2.3 SW2.3 SW2.4 | length 48.8
  Top Layer w0.254: Q2.3 39.2,64.516 v1(40.132,64.516) ; v1(49.356,64.516) 49.356,66.07 v1(49.809,66.523) ; v1(49.356,69.713) 48.78,70.29 48.78,76.63 48.686,76.724 48.686,82.19 47.056,83.819 45.609,83.819 45.286,84.142 IC1.27 49.592,84.442 50.076,83.958 53.158,83.958
  Top Layer w0.635: 53.024,84.836 53.024,84.786 53.158,84.652 53.158,83.958 SW2.4 SW2.3
  Bottom Layer w0.254: v1(40.132,64.516) v1(49.356,64.516) ; v1(49.356,69.713) 49.356,69.666 49.779,69.243 49.779,69.043 49.784,69.038 49.784,66.548 v1(49.809,66.523)
IR_LED_sig: IC1.20 R11.2 | length 29.9
  Top Layer w0.305: v1(26.416,86.36) 27.974,84.802 27.974,83.546 32.218,79.302 33.474,79.302 36.026,76.75 39.074,76.75 40.767,75.057 IC1.20 ; R11.2 v1(26.416,89.916)
  Bottom Layer w0.305: v1(26.416,86.36) v1(26.416,89.916)
IR_RCV_sig: IC1.19 P8.1 | length 41.2
  Top Layer w0.305: IC1.19 46.834,73.489 47.491,73.489 47.782,73.198 v1(47.835,73.198) ; P8.1 v1(79.756,67.056)
  Bottom Layer w0.305: v1(47.835,73.198) 50.354,70.679 50.354,70.554 52.835,68.072 76.708,68.072 77.724,67.056 v1(79.756,67.056)
LASER_sig: IC1.18 R13.2 | length 28.8
  Top Layer w0.305: v1(33.02,78.74) 35.366,76.394 38.922,76.394 42.799,72.517 IC1.18 ; R13.2 v1(33.02,89.916)
  Bottom Layer w0.305: v1(33.02,78.74) 32.059,79.701 32.059,88.955 v1(33.02,89.916)
LED_sda: IC1.21 P7.2 | length 17.1
  Top Layer w0.305: v1(43.64,82.852) 43.64,77.89 45.202,76.327 IC1.21
  Bottom Layer w0.305: v1(43.64,82.852) 43.664,82.877 43.664,91.416 P7.2
NetC9_2: C9.2 IC2.8 R4.2 R5.2 | length 4.7
  Top Layer w0.254: IC2.8 82.272,84.162 82.704,84.594 R5.2 84.278,84.594 C9.2 84.594,84.378 R4.2
NetD5_2: D5.2 IC4.1 L1.2
NetIC2_9: IC2.9 R6.2 | length 1.7
  Top Layer w0.254: R6.2 81.38,84.594 81.772,84.202 IC2.9
NetIC2_11: IC2.11 R7(NC).2 | length 2
  Top Layer w0.254: 79.756,84.594 79.979,84.371 80.135,84.371 80.749,83.757 80.749,83.145 IC2.11
NetIC4_3: IC4.3 R8.1 R9.2
NetP4_1: P4.1 S1.1 | length 8.8
  Top Layer w1.27: P4.1 63.052,61.976 64.576,63.5 S1.1
NetP5_1: P5.1 R10.2 | length 2.3
  Top Layer w0.635: R10.2 P5.1
NetP5_2: P5.2 Q3.3 | length 2.5
  Top Layer w0.635: Q3.3 P5.2
NetP6_1: P6.1 R12.2 | length 2.3
  Top Layer w0.635: R12.2 P6.1
NetP6_2: P6.2 Q4.3 | length 2.5
  Top Layer w0.635: Q4.3 P6.2
NetQ1_1: Q1.1 R2.2 | length 3.5
  Top Layer w0.305: Q1.1 33.086,62.175 34.301,60.96 R2.2
NetQ1_2: Q1.2 R3.1 | length 1.7
  Top Layer w0.305: Q1.2 34.986,62.39 35.134,62.242 R3.1
NetQ2_1: Q2.1 R3.2 | length 2.3
  Top Layer w0.305: R3.2 36.676,63.742 37.645,62.773 38.018,62.773 38.166,62.625 Q2.1
NetQ3_1: Q3.1 R11.1 | length 3.5
  Top Layer w0.635: R11.1 26.516,87.642 26.548,87.609 26.548,87.502 27.276,86.775 29.52,86.775 Q3.1
NetQ4_1: Q4.1 R13.1 | length 3.5
  Top Layer w0.635: R13.1 33.12,87.642 33.152,87.609 33.152,87.502 33.88,86.775 36.124,86.775 Q4.1
OLED_scl: IC1.10 P9.3 | length 34.7
  Top Layer w0.305: v1(40.132,68.072) 40.169,68.035 40.169,66.979 IC1.10
  Bottom Layer w0.305: v1(40.132,68.072) 63.271,91.211 63.779,91.211 P9.3
OLED_sda: IC1.11 P9.2 | length 35.8
  Top Layer w0.305: IC1.11 41.619,67.085 41.619,68.035 v1(41.656,68.072)
  Bottom Layer w0.305: v1(41.656,68.072) 63.5,89.916 65.024,89.916 P9.2
RTS: IC2.24
trigg_sig: IC1.22 P3.1 R7.1 | length 17
  Top Layer w0.254: IC1.22 46.836,77.597 47.329,77.104 47.864,77.104 48.449,76.519 48.449,64.569 R7.1
  Top Layer w0.508: P3.1 48.406,62.122 48.406,64.42 R7.1
uartUSBD+: IC2.4 P2.1 | length 12.6
  Top Layer w0.254: IC2.4 83.145,80.749 83.843,80.749 v1(84.328,80.264)
  Bottom Layer w0.254: P2.1 83.312,70.613 84.389,71.69 84.389,75.913 84.328,75.974 v1(84.328,80.264)
uartUSBD-: IC2.5 P2.2 | length 14.4
  Top Layer w0.254: IC2.5 83.126,81.276 84.324,81.276 v1(84.328,81.28)
  Bottom Layer w0.254: P2.2 80.886,69.71 80.886,70.727 82.235,72.076 82.235,75.631 82.255,75.651 82.255,79.207 v1(84.328,81.28)
usbD+: D3.2 J1.3 P2.3 | length 21.1
  Top Layer w0.305: J1.3 76.527,88.041 76.527,87.278 76.917,86.887 77.248,86.887 ; D3.2 78.107,86.36 77.58,86.887 77.248,86.887 ; P2.3 82.156,73.292 80.597,73.292 78.616,75.273 78.616,77.929 77.526,79.02 77.526,86.61 77.248,86.887
usbD-: D4.2 J1.2 P2.4 | length 19.3
  Top Layer w0.254: 75.9,87.168 75.9,85.136 76.708,84.328 76.708,77.724 78.286,76.146 78.286,74.622 P2.4
  Top Layer w0.305: J1.2 75.877,88.041 75.877,87.278 75.9,87.254 75.9,87.168 76.56,86.508 76.56,86.383 76.583,86.36 D4.2
VBUS: D1.2 D2.2 J1.1 R4.1 | length 20.9
  Top Layer w0.305: D2.2 73.477,85.727 73.684,85.52 D1.2 ; v1(74.168,86.36) 75.081,87.273 75.081,88.041 J1.1 J1.1@75.169,88.099
  Top Layer w0.508: v1(74.168,86.36) 74.569,86.36 75.184,85.745 D1.2 ; R4.1 v1(86.868,83.312)
  Bottom Layer w0.508: v1(74.168,86.36) 77.027,86.36 80.786,82.602 86.158,82.602 v1(86.868,83.312)
pads on no net: IC1.4 IC1.5 IC1.6 IC1.7 IC1.8 IC1.9 IC1.12 IC1.15 IC1.23 IC1.24 IC1.25 IC1.26 IC1.28 IC1.29 IC1.30 IC1.31 IC1.32 IC1.33 IC1.34 IC1.35 IC1.38 IC1.39 IC1.40 IC1.41 IC1.42 IC1.43 IC1.44 IC1.45 IC1.46 IC1.47 IC1.48 IC1.49 IC2.1 IC2.2 IC2.10 IC2.12 IC2.13 IC2.14 IC2.15 IC2.16 IC2.17 IC2.18 IC2.19 IC2.20 IC2.21 IC2.22 IC2.23 IC2.27 IC4.6 IC5.5 IC5.8 IC5.10 IC5.11 IC5.12 J1.4 S1.3

## Polygon pours and split planes (outlines as drawn)
GND on Top Layer "Ground Plane TOP" (solid, pour order 11): 86.614,60.198 89.408,62.992 89.408,86.868 82.804,93.472 26.797,93.472 25.4,92.075 25.4,84.836 27.432,84.836 27.432,66.548 25.4,66.548 25.4,62.738 27.94,60.198
5V on Top Layer "5V_L01_P009" (solid, pour order 9): 70.612,77.724 72.644,77.724 72.644,75.692 71.628,75.692 71.628,72.644 74.168,72.644 74.168,79.248 76.2,79.248 76.2,84.328 74.168,84.328 74.168,82.804 72.136,82.804 72.136,84.328 60.701,84.328 60.701,81.788 70.612,81.788
3V7 on Top Layer "3V7_L01_P000" (solid, pour order 0): 59.944,72.136 57.912,72.136 57.912,67.564 59.944,67.564
3V7 on Top Layer "3V7_L01_P001" (solid, pour order 1): 59.944,67.564 70.612,67.564 70.612,72.136 60.96,72.136 60.96,70.612 60.016,70.612 59.944,70.54
NetD5_2 on Top Layer "NETD5_2_L01_P002" (solid, pour order 2): 70.612,81.788 60.96,81.788 60.96,75.184 59.944,75.184 59.944,73.152 70.612,73.152
5V on Top Layer "5V_L01_P004" (solid, pour order 4): 70.612,82.804 70.612,87.884 60.96,87.884 60.96,82.804
GND on Top Layer "GND_L01_P005" (solid, pour order 5): 60.96,87.884 58.928,87.884 58.928,72.644 60.96,72.644 60.96,81.28
NetIC4_3 on Top Layer "NETIC4_3_L01_P006" (solid, pour order 6): 58.928,87.884 58.928,73.152 57.404,73.152 57.404,87.884
GND on Top Layer "GND_L01_P007" (solid, pour order 7): 59.944,75.184 59.944,72.136 57.912,72.136 57.912,67.564 55.88,67.564 55.88,75.184
5V on Top Layer "5V_L01_P008" (solid, pour order 8): 70.612,87.376 70.612,89.408 55.88,89.408 55.88,76.2 57.404,76.2 57.404,87.376
no net on Top Overlay "NONET_L-01_P-001" (hatched 45Degree grid 0.508 track 0.1): 60.96,75.184 59.944,75.184 59.944,74.676 60.96,74.676 60.96,73.152 61.976,73.152 61.976,76.962 70.612,76.962 70.612,81.788 69.088,81.788 69.088,78.803 69.15,78.741 68.065,78.741 68.065,77.477 68.072,77.47 64.008,77.47 64.008,78.734 64.015,78.741 62.93,78.741 62.93,81.726 62.992,81.788 60.96,81.788
no net on Top Overlay "NONET_L-01_P-001" (hatched Vertical grid 0.3 track 0.1): 57.912,70.612 60.96,70.612 60.96,72.136 61.976,72.136 61.976,68.326 70.612,68.326 70.612,67.056 57.912,67.056 57.912,68.326 59.182,68.326 59.182,69.85 57.912,69.85
no net on Top Overlay "NONET_L-01_P-001" (hatched Horizontal grid 0.3 track 0.1): 55.88,75.946 57.15,75.946 57.15,72.898 57.658,72.898 57.658,69.596 56.642,69.596 56.642,68.58 57.658,68.58 57.658,67.056 55.88,67.056
no net on Top Overlay "NONET_L-01_P-001" (hatched Horizontal grid 0.3 track 0.1): 58.928,87.884 60.706,87.884 60.706,86.36 59.69,86.36 59.69,85.09 60.706,85.09 60.706,75.438 59.69,75.438 59.69,74.676 58.928,74.676 58.928,82.042 60.198,82.042 60.198,83.566 58.928,83.566
no net on Top Overlay "NONET_L-01_P-001" (hatched 45Degree grid 0.508 track 0.1): 57.404,87.884 58.645,87.884 58.647,87.886 58.674,87.859 58.674,83.566 57.658,83.566 57.658,82.042 58.674,82.042 58.674,81.026 57.658,81.026 57.658,79.502 58.674,79.502 58.674,74.676 57.912,74.676 57.912,73.152 57.404,73.152
no net on Top Overlay "NONET_L-01_P-001" (hatched 90Degree grid 0.508 track 0.15): 57.15,88.138 57.15,80.772 55.88,80.772 55.88,79.756 57.15,79.756 57.15,76.2 55.88,76.2 55.88,89.408 70.612,89.408 70.612,82.042 69.15,82.042 69.15,85.851 68.065,85.851 68.065,87.369 68.072,87.376 64.008,87.376 64.008,85.858 64.015,85.851 62.93,85.851 62.93,82.042 60.96,82.042 60.96,85.09 62.23,85.09 62.23,86.614 60.96,86.614 60.96,88.138
GND on Bottom Layer "Ground plane BOTTOM" (solid, pour order 12): 86.614,60.198 89.408,62.992 89.408,86.868 82.804,93.472 26.797,93.472 25.4,92.075 25.4,84.836 27.432,84.836 27.432,66.548 25.4,66.548 25.4,62.738 27.94,60.198

## Keep-outs
Keep-Out Layer:
  the board outline again, w0.025

## Silkscreen, mask and mechanical layers (free items; w line width, h text height)
Top Overlay:
  lines w0.1: 56.903,72.605 57.947,72.605 ; 57.004,72.296 58.048,72.296 ; 57.404,72.898 58.448,72.898 ; 60.886,72.344 61.93,72.344 ; 60.886,72.644 61.976,72.644 ; 60.886,72.944 61.93,72.944
  lines w0.254: 27.443,65.521 62.241,65.521 ; 30.48,87.659 30.48,87.376 30.48,86.36 30.988,85.852 36.576,85.852 37.084,86.36 37.084,87.659 ; 38.534,87.884 42.672,87.884 44.891,90.103 44.891,90.159 ; 47.498,91.44 53.848,91.44 55.88,89.408 ; 70.416,92.524 72.704,92.524 ; 73.914,65.786 75.184,67.056 76.708,65.532 77.42,65.532 ; 78.355,65.524 85.844,65.524 88.755,68.435 88.755,84.981 81.212,92.524 80.275,92.524 ; 82.945,91.948 82.649,91.653 ; 82.998,91.304 82.649,91.653 ; 84.076,90.988 83.411,91.653 82.649,91.653 ; 55.88,89.408 70.612,89.408 70.612,67.056 55.88,67.056 55.88,89.408
  text "IR LED" at 32.034,92.696 h0.5 r270
  text "Laser" at 38.654,92.696 h0.5 r270
  text "USB prog" at 84.156,90.542 h0.5 r315
  text "OLED" at 59.846,90.154 h0.5 r90
  text "WS2812B" at 39.892,89.354 h0.5
  text "Boot" at 54.646,79.577 h0.5 r90
  text "GND    RX   TX   3V3" at 87.971,78.471 h0.5 r270
  text "OTG" at 81.346,76.225 h0.5
  text "Reset" at 54.646,70.054 h0.5 r90
  text "USB mode" at 79.315,68.37 h0.5 r90
  text "Serial" at 80.854,67.554 h0.5
  text "UART" at 85.245,67.536 h0.5
  text "Trigger" at 49.054,63.821 h0.5
  text "BMS" at 53.176,63.746 h0.5
  text "ON" at 62.032,63.049 h0.5 r90
  text "OFF" at 74.646,62.853 h0.5 r90
  text "IR Receiver" at 78.078,60.606 h0.5 r90
Bottom Overlay:
  drawing of 1077 lines, arcs and shapes, not listed
  text "Made in Montpellier with" at 78.486,87.014 h1.2
  text "LaserGame_mb_rev4.0_30_08_23" at 78.486,84.274 h1.2
  text "Romain Boutet" at 78.486,82.55 h1.2
  text "norme" at 52.762,64.299 h1.2